# Altium PCB theremin2.PcbDoc
Units mil, origin at the board's own origin, x right, y up, seen from the top; angles counter-clockwise.
Board outline 3370 x 2125 mil, 2 copper layers (Top Layer, Bottom Layer); 50 components, 31 nets, 157 pads, 42 vias.
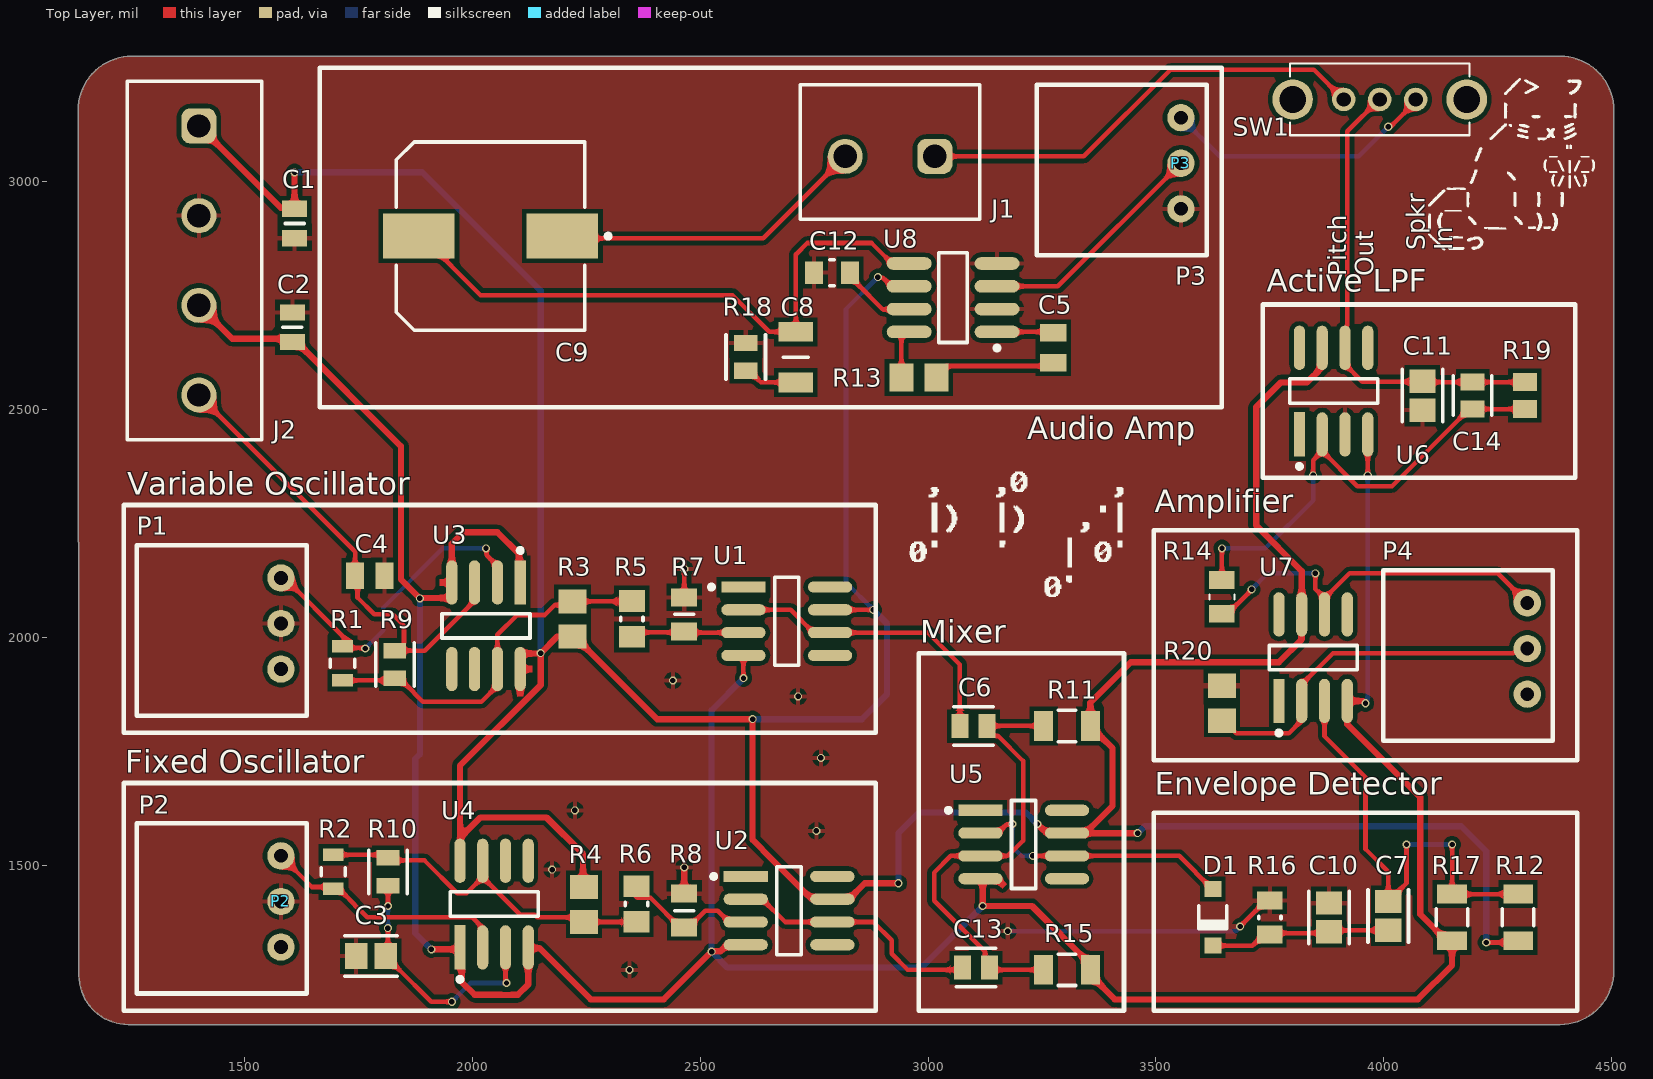
[diagram p0: Top Layer view]
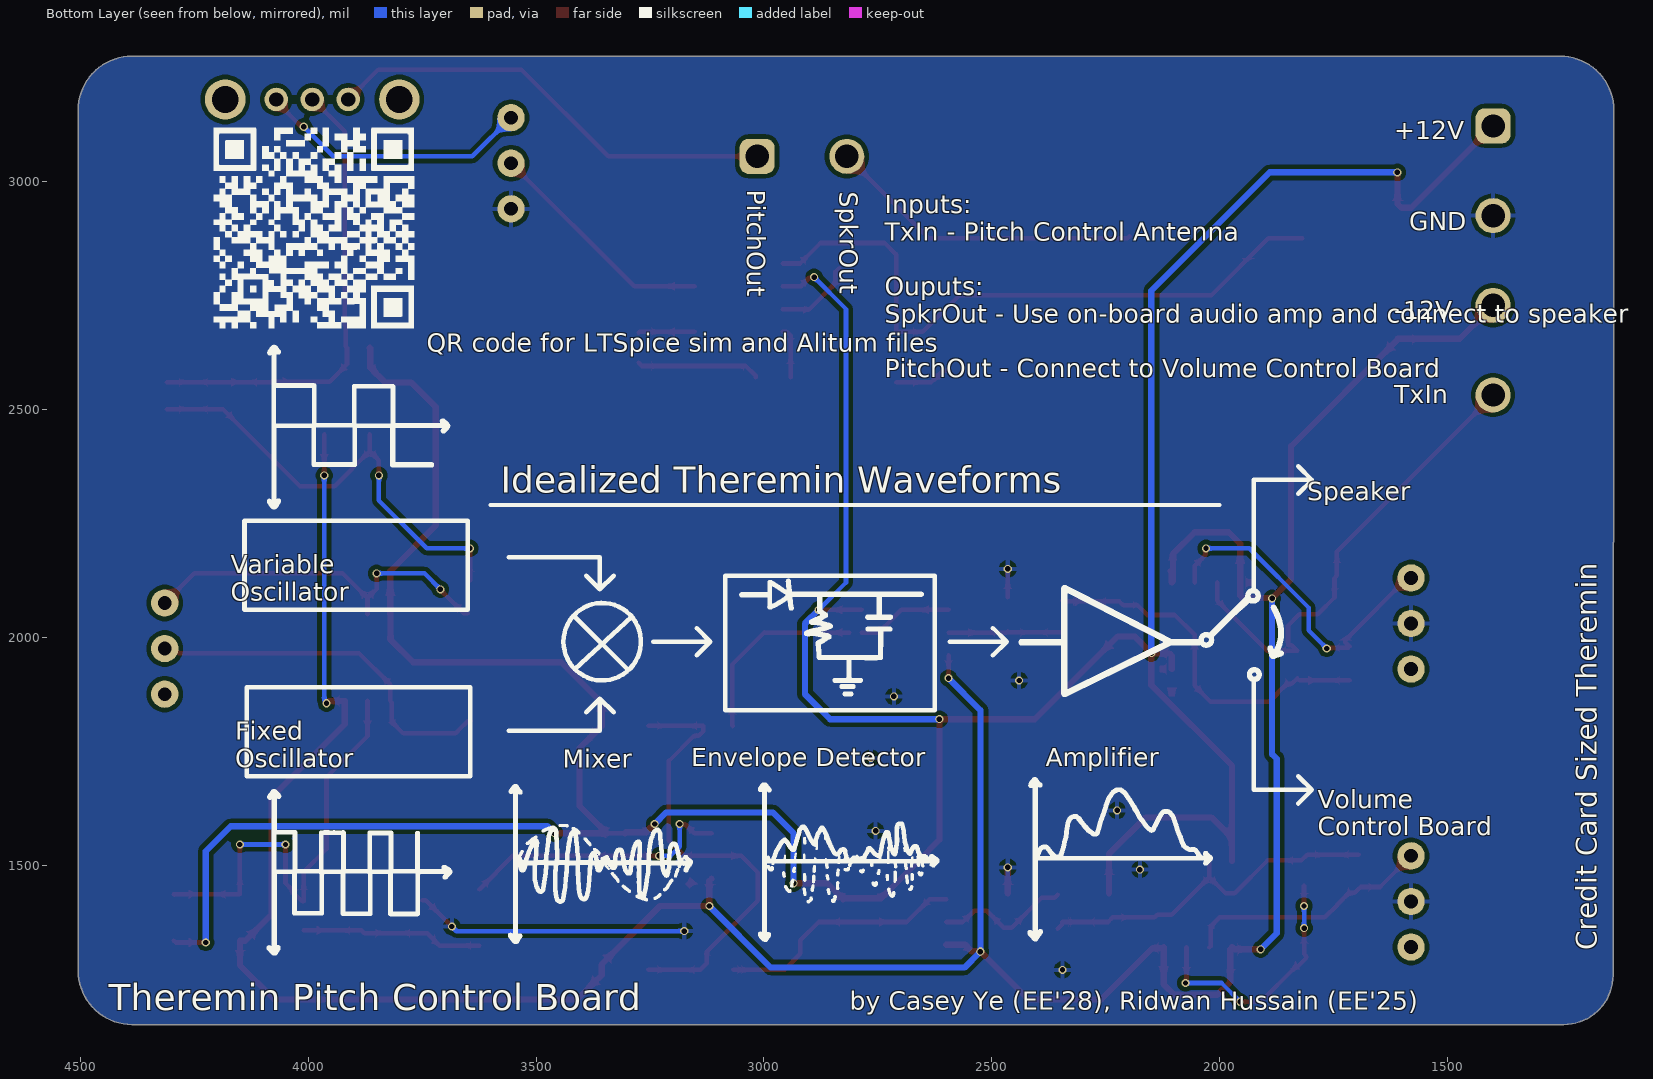
[diagram p1: Bottom Layer view, seen from below]
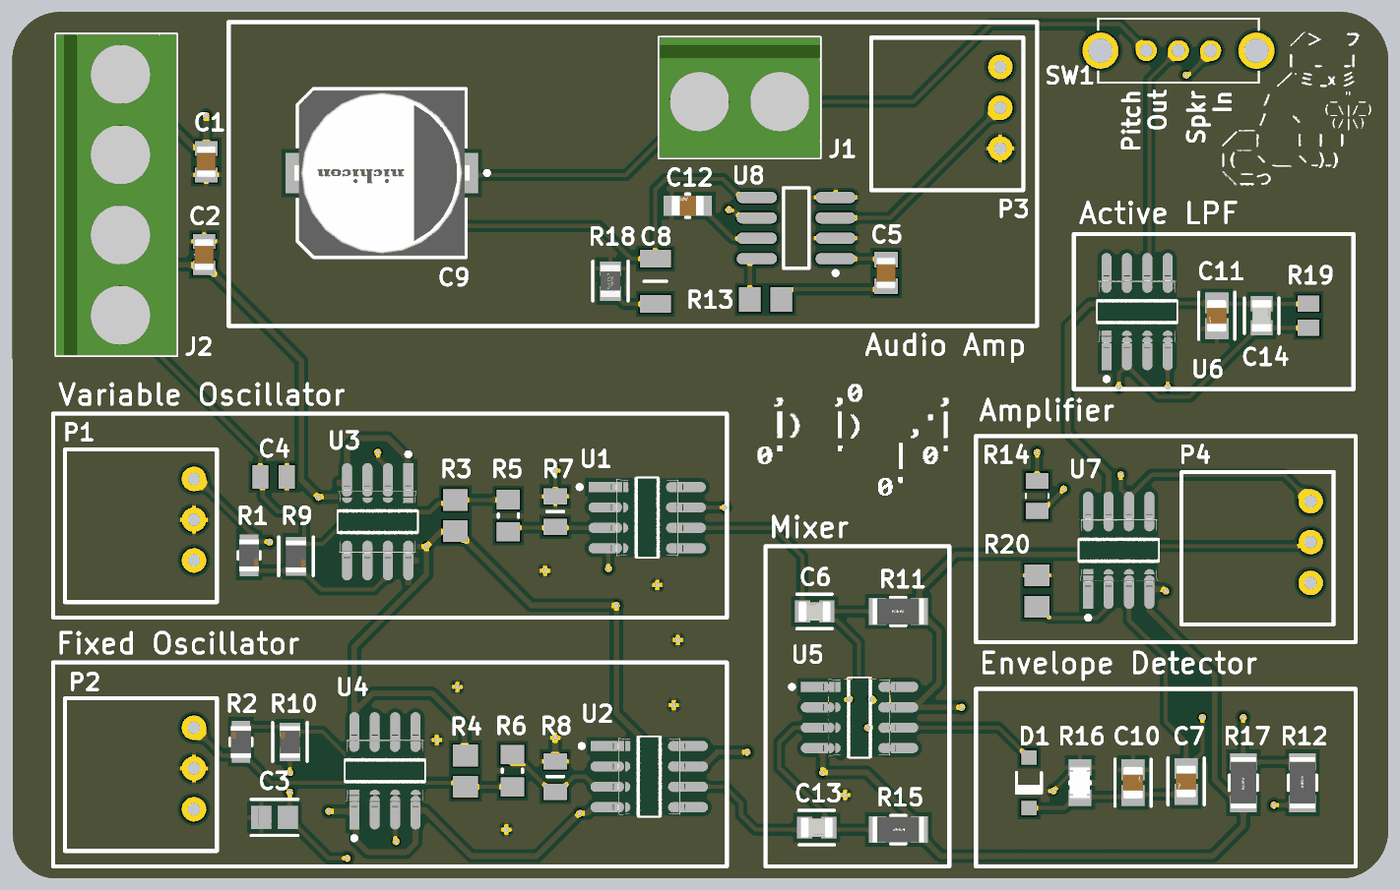
[diagram p2: 3D render of the assembled board from above, using the file's embedded part models]

## Layer stack, top to bottom
Top Solder: solder mask 0.4, Solder Resist, Dk 3.5
Top Layer: signal copper 1.4
Dielectric 1: dielectric 12.6, FR-4, Dk 4.8
Bottom Layer: signal copper 1.4
Bottom Solder: solder mask 0.4, Solder Resist, Dk 3.5

## Board outline
1244.59,1150 cw(c1244.59,1257.72) 1136.86,1257.72 1135,3156.89 cw(c1253.11,3156.89) 1253.11,3275 4386.89,3275 cw(c4386.89,3156.89) 4505,3156.89 4505,3155 4505,1268.11 cw(c4386.89,1268.11) 4386.89,1150 4385,1150

## Design rules (kind name [scope] priority, off if disabled: settings)
Clearance [All] p1: gap=9.65 ignorepadtopadclearanceinfootprint=TRUE
MinimumSolderMaskSliver [All] p1: minsoldermaskwidth=7.87
PolygonConnect [All] p1: connectstyle=Relief reliefconductorwidth=10 reliefentries=4 polygonreliefangle="90 Angle" airgapwidth=10
RoutingVias [All] p1: holewidth=11.81 width=17.72 viastyle="Through Hole" minholewidth=7.87 minwidth=13.78 maxholewidth=28 maxwidth=50
SilkToSolderMaskClearance [IsPad] p1: minsilkscreentomaskgap=4.33 clearancetoexposedcopper=TRUE
SolderMaskExpansion [All] p1: expansion=4 istentingtop=FALSE
SupplyNets "Schematic Supply Nets_2" [InNet('GND')] p1: voltage=0.000
SupplyNets "Schematic Supply Nets_1" [InNet('+12V')] p2: voltage=0.000
SupplyNets "Schematic Supply Nets" [InNet('-12V')] p3: voltage=0.000
Width [All] p1: maxlimit=19.68 minlimit=10 preferedwidth=10
28 further rules are at their usual default settings.

## Components (designator, comment, footprint, x,y, rotation, side; value= is the part's Value field where it differs from the comment)
C1 "CL21B105KBFNNNE" CAPC2012X135N 1610,2907.72 r90 top
C2 "CL21B105KBFNNNE" CAPC2012X135N 1605,2680 r90 top
C3 "CL21B222JBANNNC" FP-CL21-IPC_B 1777.49,1300 r180 top
C4 "VJ0805A561JXAAC" CAPC2012X145N#1 1775,2135 r180 top
C5 "CL21A106KAYNNNG" CAPC2012X145N#2 3275,2635 r90 top
C6 "C0805C220J5GACTU" FP-C0805C-DN-MFG 3100,1805 r0 top value="22 pF"
C7 "08052C102M4Z2A" FP-0805-L_2_01_0_2-W_1_25-IPC_B 4010,1388.28 r270 top
C8 "12061C503JAT2A" CAPC3216X94N 2710,2614.49 r90 top
C9 "UWT1E471MNL1GS" FP-UWT1E471MNL1GS-MFG 2040,2880 r180 top
C10 "08055C472KAT2A" FP-0805-L_2_01_0_2-W_1_25-IPC_B 3880,1385 r90 top
C11 "08052C102M4Z2A" FP-0805-L_2_01_0_2-W_1_25-IPC_B 4085,2530 r270 top
C12 "08055C104J4T2A" FP-0805-L_2_01_0_2-W_1_25-MFG 2789.37,2800 r180 top
C13 "C0805C220J5GACTU" FP-C0805C-DN-MFG 3105.47,1275 r180 top value="22 pF"
C14 "C0805C103J5RAC7210" FP-C0805C-DN-MFG 4195,2530 r270 top value="10,000 pF"
D1 "1N4148W-7-F" DIOD-SOD123-2_V 3625,1385 r270 top
J1 "691137710002" 691137710002 2916.57,3064.84 r180 top
J2 "691137710004" 691137710004 1390.16,2826.57 r270 top
P1 "25kOhmPotentiometer" 25kOhmPotentiometer-Footprint-1 1450,2015 r180 top
P2 "25kOhmPotentiometer" 25kOhmPotentiometer-Footprint-1 1450,1405 r180 top
P3 "25kOhmPotentiometer" 25kOhmPotentiometer-Footprint-1 3425,3025 r180 top
P4 "25kOhmPotentiometer" 25kOhmPotentiometer-Footprint-1 4185,1960 r180 top
R1 "KTR10EZPF1003" FP-KTR10-MFG 1715,1942.4 r270 top
R2 "KTR10EZPF1003" FP-KTR10-MFG 1695,1485 r90 top
R3 "ERJ-6ENF1001V" RESC2013X70X40ML20T20 2220,2040 r270 top
R4 "ERJ-6ENF1001V" RESC2013X70X40ML20T20 2245,1413.39 r90 top
R5 "RC0805JR-075K1L" RESC2013X60X35ML10T20 2350,2040 r270 top
R6 "RC0805JR-075K1L" RESC2013X60X35ML10T20 2360,1414.37 r90 top
R7 "4-2176238-9" RESC2012X65N#1 2465,2049.87 r270 top
R8 "4-2176238-9" RESC2012X65N#1 2465,1400 r270 top
R9 "KTR10EZPF2002" FP-KTR10-IPC_C 1830,1940 r270 top
R10 "KTR10EZPF2002" FP-KTR10-IPC_C 1815,1485 r90 top
R11 "KTR18EZPF1004" FP-KTR18-IPC_C 3305,1805 r0 top
R12 "KTR18EZPF1004" FP-KTR18-IPC_C 4295,1385 r270 top
R13 "ERJ-6ENF1001V" RESC2013X70X40ML20T20 2980,2570 r0 top
R14 "CRG0805F1K2" RESC2012X65N#2 3645,2088.19 r90 top
R15 "KTR18EZPF1004" FP-KTR18-IPC_C 3305,1270 r180 top
R16 "CRCW08054K70FKEA" FP-CRCW0805-e3-IPC_B 3750,1385 r270 top
R17 "KTR18EZPF1004" FP-KTR18-IPC_C 4150,1385 r90 top
R18 "CRGP0805F10R" FP-CRGP0805-IPC_C 2600,2615 r270 top value=10Ω
R19 "ERA6AEB222V" RESC2013X60X40LL20T25 4310,2530 r90 top
R20 "ERJ-6ENF1001V" RESC2013X70X40ML20T20 3645,1855 r270 top
SW1 "EG1213" SW_EG1213 3991.26,3180 r180 top
U1 "LF411CDR" FP-D0008A-IPC_A 2690,2035 r0 top
U2 "LF411CDR" FP-D0008A-IPC_A 2694.98,1400 r0 top
U3 "LM311MX/NOPB" FP-D0008A-IPC_A 2030,2024.98 r270 top
U4 "LM311MX/NOPB" FP-D0008A-IPC_A 2047.77,1414.27 r90 top
U5 "LF411CDR" FP-D0008A-IPC_A 3210,1545 r0 top
U6 "LF411CDR" FP-D0008A-IPC_A 3890,2540 r90 top
U7 "LF411CDR" FP-D0008A-IPC_A 3845,1955.02 r90 top
U8 "LM386M-1/NOPB" TI-D8_M 3055,2745 r180 top

## Footprints (in the part's own frame and the unit in brackets; to place one, negate y for a bottom-side part, rotate by r counter-clockwise, add the part's x,y. Pads: shape width x height; smd on the part's side, far side on the other; paste and mask are expansions set on the pad)
25kOhmPotentiometer-Footprint-1 [mil]
  round 60 hole 30: 1(-130,85) 2(-130,-15) 3(-130,-115)
  silkscreen extent -186,-187 186,187
691137710002 [mm] "Horizontal Cable Entry with Pressure Clamp, pitch 5mm, 02p"
  rrect50% 1.95x1.95 hole 1.3: 1(-2.5,0.25)
  round 1.95 hole 1.3: 2(2.5,0.25)
  silkscreen extent -5,-3.75 5,3.75, body extent -5,-3.75 5,3.75, height 11.6
691137710004 [mm] "Horizontal Cable Entry with Pressure Clamp, pitch 5mm, 04p"
  rrect50% 1.95x1.95 hole 1.3: 1(-7.5,0.25)
  round 1.95 hole 1.3: 2(-2.5,0.25) 3(2.5,0.25) 4(7.5,0.25)
  silkscreen extent -10,-3.75 10,3.75, body extent -10,-3.75 10,3.75, height 11.6
CAPC2012X135N [mm]
  rect 0.91x1.39 smd: 1(-0.82,0) 2(0.82,0)
  silkscreen extent 0,-0.53 0,0.53, body extent -1,-0.63 1,0.63, height 1.35
CAPC2012X145N#1 [mm]
  rect 0.99x1.47 smd: 1(-0.82,0) 2(0.82,0)
CAPC2012X145N#2 [mm]
  rect 0.97x1.47 smd: 1(-0.83,0) 2(0.83,0)
  body extent -1,-0.63 1,0.63, height 1.45
CAPC3216X94N [mm]
  rect 1.1x1.92 smd: 1(-1.41,0) 2(1.41,0)
  silkscreen extent 0,-0.7 0,0.7
DIOD-SOD123-2_V [mm] "SOD123, 2-Leads, Body 2.7x1.55mm, Height 1.45mm"
  rect 0.9x0.95 smd: 1(-1.575,0) 2(1.575,0)
  silkscreen extent -0.64,-0.83 0.64,0.77, body extent -1.35,-0.77 1.35,0.77, height 1.45
FP-0805-L_2_01_0_2-W_1_25-IPC_B [mil]
  rect 51.36x57.33 smd paste+0 mask+0: 1(-31.72,0) 2(31.72,0)
  silkscreen extent -57,-44 57,44, body extent -67,-39 67,39, height 10
FP-0805-L_2_01_0_2-W_1_25-MFG [mm]
  rect 1x1.25 smd paste+0 mask+0: 1(-1,0) 2(1,0)
  silkscreen extent -0.13,-0.72 0.13,0.72, body extent -1.6,-0.82 1.6,0.82, height 0.25
FP-C0805C-DN-MFG [mm]
  rect 0.95x1.35 smd paste+0 mask+0: 1(-0.75,0) 2(0.75,0)
  silkscreen extent -1.1,-1.07 1.1,1.07, body extent -1.4,-0.85 1.4,0.85, height 0.25
FP-CL21-IPC_B [mil]
  rect 49.4x57.33 smd paste+0 mask+0: 1(-32.51,0) 2(32.51,0)
  silkscreen extent -57,-44 57,44, body extent -67,-39 67,39, height 10
FP-CRCW0805-e3-IPC_B [mil]
  rect 39.63x55.44 smd paste+0 mask+0: 1(-37.44,0) 2(37.44,0)
  silkscreen extent -3,-25 3,25, body extent -67,-38 67,38, height 10
FP-CRGP0805-IPC_C [mil]
  rect 35.67x51.57 smd paste+0 mask+0: 1(-30.55,0) 2(30.55,0)
  silkscreen extent -48,-43 48,43, body extent -52,-31 52,31, height 10
FP-D0008A-IPC_A [mil]
  rect 97.21x24.49 smd paste+0 mask+0: 1(-95.02,75)
  rrect100% 97.21x24.49 smd paste+0 mask+0: 2(-95.02,25) 3(-95.02,-25) 4(-95.02,-75) 5(95.02,-75) 6(95.02,-25) 7(95.02,25) 8(95.02,75)
  silkscreen extent -170,-97 27,97, body extent -163,-116 163,116, height 10
FP-KTR10-IPC_C [mil]
  rect 33.79x49.69 smd paste+0 mask+0: 1(-30.59,0) 2(30.59,0)
  silkscreen extent -47,-42 47,42, body extent -51,-31 51,31, height 10
FP-KTR10-MFG [mm]
  rect 0.7x1.15 smd paste+0 mask+0: 1(-0.95,0) 2(0.95,0)
  silkscreen extent -0.23,-0.67 0.23,0.67, body extent -1.4,-0.77 1.4,0.77, height 0.25
FP-KTR18-IPC_C [mil]
  rect 41.56x65.28 smd paste+0 mask+0: 1(-51.23,0) 2(51.23,0)
  silkscreen extent -19,-34 19,34, body extent -76,-38 76,38, height 10
FP-UWT1E471MNL1GS-MFG [mm]
  rect 4x2.5 smd paste+0 mask+0: 1(-4,0) 2(4,0)
  silkscreen extent -6.68,-5.25 5.25,5.25, body extent -6.25,-5.5 6.25,5.5, height 0.25
RESC2012X65N#1 [mm]
  rect 1x1.45 smd: 1(-0.95,0) 2(0.95,0)
  silkscreen extent 0,-0.53 0,0.53
RESC2012X65N#2 [mm]
  rect 1x1.42 smd: 1(-0.935,0) 2(0.935,0)
  silkscreen extent -0.12,-0.7 0.12,0.7
RESC2013X60X35ML10T20 [mm] "Chip Resistor, 2-Leads, Body 2.00x1.25mm, IPC Low Density"
  rect 1.2x1.45 smd: 1(-1,0) 2(1,0)
  silkscreen extent -0.1,-0.63 0.1,0.63, body extent -1.05,-0.67 1.05,0.67, height 0.6
RESC2013X60X40LL20T25 [mm] "Chip Resistor, 2-Leads, Body 2.00x1.25mm, IPC High Density"
  rect 1x1.35 smd: 1(-0.75,0) 2(0.75,0)
  body extent -1.1,-0.72 1.1,0.72, height 0.6
RESC2013X70X40ML20T20 [mm] "Chip Resistor, 2-Leads, Body 2.00x1.25mm, IPC Low Density"
  rect 1.35x1.55 smd: 1(-0.975,0) 2(0.975,0)
  body extent -1.1,-0.72 1.1,0.72, height 0.7
SW_EG1213 [mm]
  round 1.308 hole 0.8: 1(-2,0) 2(0,0) 3(2,0)
  round 2.25 hole 1.5: P$4(-4.85,0) P$5(4.85,0)
  silkscreen extent -5,-2 5,2
TI-D8_M [mm] "SOIC, 8-Leads, Body 5x4mm, Pitch 1.27mm, IPC Low Density"
  oval 2.5x0.7 smd: 1(-2.45,1.905) 2(-2.45,0.635) 3(-2.45,-0.635) 4(-2.45,-1.905) 5(2.45,-1.905) 6(2.45,-0.635) 7(2.45,0.635) 8(2.45,1.905)
  silkscreen extent -2.58,-2.5 0.8,2.93, body extent -2,-2.5 2,2.5, height 1.75

## Part data
C1 C2: "Capacitor", Manufacturer_Name=SAMSUNG, Mouser Part Number=187-CL21B105KBFNNNE, Arrow Part Number=CL21B105KBFNNNE, Arrow Price/Stock=https://www.arrow.com/en/products/cl21b105kbfnnne/samsung-electro-mechanics?region=europe, Datasheet Link=https://componentsearchengine.com/Datasheets/2/CL21B105KBFNNNE.pdf, Height=1.35mm, Manufacturer_Part_Number=CL21B105KBFNNNE, Mouser Price/Stock=https://www.mouser.co.uk/ProductDetail/Samsung-Electro-Mechanics/CL21B105KBFNNNE?qs=yOVawPpwOwmddQEBPU6Y9A%3D%3D
C3: library part CMP-13271-000077-1, "CL21 Series 0805 2.2nF 50V ±5% Tolerance X7R Multilayer Ceramic Chip Capacitor", Capacitance=2.2nF, Case Code (Imperial)=0805, Case Code (Metric)=2012, Dielectric=X7R, Max Operating Temperature=125°C, Min Operating Temperature=-55°C, Package Quantity=4000, Tolerance=5%, Voltage=50V, Case/Package=0805, Contact Plating=Tin, Depth=1.25mm, Height=0.65mm, Lead Free="Lead Free", Length=2mm, Mount="Surface Mount", Packaging="Tape and Reel", Radiation Hardening=No, Thickness=0.03inch, Voltage Rating=50V, Voltage Rating (DC)=50V, Width=0.049inch
C4: library part CMP-030-000000-1, "VISHAY - VJ0805A561JXAAC - CAP, 560PF, 50V, 5%, C0G/NP0, 0805", Manufacturer_Name=Vishay, Mouser Part Number=77-VJ0805A561JXAAC, Datasheet Link=http://www.vishay.com/docs/45226/vj31xrohsautomlcc.pdf, Design Item ID=VJ0805A561JXAAC, Geometry.Height=1.45mm, Manufacturer_Part_Number=VJ0805A561JXAAC, Mouser Price/Stock=https://www.mouser.co.uk/ProductDetail/Vishay-Vitramon/VJ0805A561JXAAC?qs=ReTA%2F0kwlVYgsqJl6lJxLg%3D%3D, Source=VJ0805A561JXAAC.SchLib
C5: "Capacitor", Manufacturer_Name=SAMSUNG, Mouser Part Number=187-CL21A106KAYNNNG, Arrow Part Number=CL21A106KAYNNNG, Arrow Price/Stock=https://www.arrow.com/en/products/cl21a106kaynnng/samsung-electro-mechanics?region=nac, Datasheet Link=https://www.arrow.com/en/products/cl21a106kaynnng/samsung-electro-mechanics, Height=1.45mm, Manufacturer_Part_Number=CL21A106KAYNNNG, Mouser Price/Stock=https://www.mouser.co.uk/ProductDetail/Samsung-Electro-Mechanics/CL21A106KAYNNNG?qs=yOVawPpwOwl2HL%252Buj2PlNg%3D%3D
C6 C13: library part CMP-2007-00048-2, "Capacitor; Ceramic; Cap; 22.0pF; Tol 5%; SMT; Vol-Rtg 50V; C0G; Tape and Reel", Capacitance="22 pF", Manufacturer=KEMET, Package=C0805C-DN, Temperature="-55°C to +125°C", Temperature Characteristic=C0G, Temperature Coefficient=30ppm/°C, Temperature Range High=+125°C, Temperature Range Low=-55°C, Tolerance=0.05, Voltage Rating="50 V", Automotive=No, Category=Cap, ComponentLink2Description=Datasheet, ComponentLink2URL=https://content.kemet.com/datasheets/KEM_C1003_C0G_SMD.pdf, Device Class L1="Passive Components", Device Class L2=Capacitors, Device Class L3="Ceramic Capacitors", Digikey Description="Capacitor; Ceramic; Cap; 22.0pF; Tol 5%; SMT; Vol-Rtg 50V; C0G; Tape and Reel", Height=0.88mm, Ipc Land Pattern Name=CAPC200125X78, Lead Free=Yes, Manufacturer Part Number=C0805C220J5GACTU, Material=Ceramic, Mouser Description="Multilayer Ceramic Capacitors MLCC - SMD/SMT 50volts 22pF C0G 5%", Octopart=https://octopart.com/c0805c220j5gactu-kemet-145470, RoHS=TRUE
C7 C11: library part CMP-04427-001942-1, "Automotive Ceramic Capacitor, 0805, 1nF, 20%, X7R, 0.15, 200V", Capacitance=1nF, Case/Package=0805, Dielectric=X7R, Max Operating Temperature=125°C, Min Operating Temperature=-55°C, Ratings=AEC-Q200, Tolerance=20%, Voltage Rating=200V, Depth=1.25mm, Features="Soft Termination", Length=0.079inch, Mount="Surface Mount", Packaging="Tape and Reel", RoHS Compliant=Yes, Thickness=0.037inch, Voltage Rating (DC)=200V, Width=0.049inch
C8: library part CMP-012-000000-1, "Multilayer Ceramic Capacitors MLCC - SMD/SMT 100V .05uF X7R 1206 5% Tol", Manufacturer_Name="Kyocera AVX", Mouser Part Number=581-12061C503JAT2A, Datasheet Link=http://datasheets.avx.com/X7RDielectric.pdf, Design Item ID=12061C503JAT2A, Geometry.Height=0.94mm, Manufacturer_Part_Number=12061C503JAT2A, Mouser Price/Stock=https://www.mouser.co.uk/ProductDetail/KYOCERA-AVX/12061C503JAT2A?qs=9g9l2Gjnh0tpSIGc6XCvtQ%3D%3D, Source=12061C503JAT2A.SchLib
C9: library part CMP-12462-000037-1, "CAP ALUM 470UF 20% 25V SMD", Capacitance=470uF, Case/Package=Radial, Dielectric Material=Aluminium, Leakage Current=3uA, Max Operating Temperature=105°C, Min Operating Temperature=-55°C, Package Quantity=500, Ripple Current=300mA, Tolerance=20%, Voltage=25V, Construction=Cylindrical, Diameter=10mm, Dissipation Factor=0.16%, Height=10mm, Height - Seated (Max)=0.394inch, Lead Diameter=1.1mm, Lead Free="Lead Free", Lead Pitch=4.5mm, Length=10mm, Life (Hours)=1000Hour, Mount="Surface Mount", Number of Pins=2, Packaging="Tape and Reel", Radiation Hardening=No, REACH SVHC="No SVHC", Ripple Current (AC)=300mA, RoHS Compliant=Yes, Series=WT, Termination=SMD/SMT, Voltage Rating=25V, Voltage Rating (DC)=25V
C10: library part CMP-1036-03594-3, "General Purpose Ceramic Capacitor, 0805, 4.7nF, 10%, X7R, 0.15, 50V", Capacitance=4.7nF, Case Code (Imperial)=0805, Case Code (Metric)=2012, Dielectric=X7R, Dielectric Material=Ceramic, Insulation Resistance=100GR, Max Operating Temperature=125°C, Min Operating Temperature=-55°C, Package Quantity=1, Tolerance=10%, Voltage=50V, Case/Package=0805, Construction=Flat, Contact Plating=Tin, Depth=1.25mm, Dissipation Factor=2.5%, Height=0.94mm, Lead Free="Lead Free", Length=2.01mm, Mount="Surface Mount", Number of Pins=2, Packaging="Tape and Reel", Radiation Hardening=No, REACH SVHC="No SVHC", RoHS Compliant=Yes, Series=-, Size=0.94mm, Termination=SMD/SMT, Thickness=0.037inch, Voltage Rating=50V, Voltage Rating (DC)=50V, Width=1.25mm
C12: library part CMP-2007-04725-2, "Automotive Ceramic Capacitor, 0805, 100nF, 5%, X7R, 15%, 50V", Capacitance=100nF, Case Code (Imperial)=0805, Case Code (Metric)=2012, Dielectric=X7R, Max Operating Temperature=125°C, Min Operating Temperature=-55°C, Package Quantity=4000, Ratings=AEC-Q200, Tolerance=5%, Voltage Rating=50V, Case/Package=0805, Construction=Flat, Contact Plating=Tin, Depth=1.25mm, Dissipation Factor=2.5%, Height=0.94mm, Lead Free="Lead Free", Length=2.01mm, Mount="Surface Mount", Number of Pins=2, Packaging="Tape and Reel", Radiation Hardening=No, RoHS Compliant=Yes, Series=-, Termination=SMD/SMT, Thickness=0.037inch, Voltage Rating (DC)=50V, Width=0.049inch
C14: library part CMP-2007-01173-3, "CAP CER SMD 0805 .01UF X7R 5% 50", Capacitance="10,000 pF", Manufacturer=KEMET, Package=C0805C-DN, Temperature="-55°C to +125°C", Temperature Characteristic=X7R, Temperature Coefficient=30ppm/°C, Temperature Range High=+125°C, Temperature Range Low=-55°C, Tolerance=0.05, Voltage Rating="50 V", Automotive=No, Category=Cap, ComponentLink2Description=Datasheet, ComponentLink2URL=https://content.kemet.com/datasheets/KEM_C1003_C0G_SMD.pdf, Device Class L1="Passive Components", Device Class L2=Capacitors, Device Class L3="Ceramic Capacitors", Digikey Description="CAP CER SMD 0805 .01UF X7R 5% 50", Height=0.88mm, Ipc Land Pattern Name=CAPC200125X78, Lead Free=Yes, Manufacturer Part Number=C0805C103J5RAC7210, Material=Ceramic, Mouser Description="Cap Ceramic 0.01uF 50V X7R 5% Pad SMD 0805 125C T/R", Octopart=https://octopart.com/c0805c103j5rac7210-kemet-3921106, RoHS=TRUE
D1: library part CMP-2000-04932-2, "Fast Switching Diode, 100 V, 0.15 A, -65 to 150 degC, 2-Pin?SOD123, RoHS, Tape and Reel", If - Forward Current=0.15A, Ir - Reverse Current=1uA, Manufacturer=DiodesIncorporated, Max Surge Current=2A, Maximum Operating Temperature=+150C, Minimum Operating Temperature=-65C, Operating Temperature Range=-65Cto+150C, Package / Case=SOD-123, Package Reference=SOD123-2, Peak Reverse Voltage=100V, Vf - Forward Voltage=1.25V, Brand=DiodesIncorporated, Configuration=Single, Datasheet URL=http://www.farnell.com/datasheets/1915529.pdf, Datasheet Version="Rev. 24-2, 10/2013", Factory Pack Quantity=3000, Height=1.25mm, Length=2.85mm, Manufacturer URL=http://www.diodes.com/, Mounting Style=SMD/SMT, Package URL=http://www.diodes.com/datasheets/ds18004.pdf, Packaging=Reel, Product=SwitchingDiodes, Product Category=Diodes-GeneralPurpose,Power,Switching, Recovery Time=4ns, RoHS=True, Series=1N4148, Type=SwitchingDiode, Unit Weight=0.000353oz, Width=1.7mm
J1: library part CMP-1502-03324-2, Current Rating=16A, Max Operating Temperature=120°C, Min Operating Temperature=-30°C, Voltage Rating=300V, Contact Material="Nickel, Tin", Height=11.6mm, Lead Pitch=5mm, NexarPartId=78871135, Number of Contacts=2, Number of Pins=2, Number of Rows=1, Packaging=Box, RoHS=Non-Compliant
J2: library part CMP-1502-03326-2, Lead Pitch=5mm, NexarPartId=78871140, Number of Pins=4, Packaging=Box, RoHS=Non-Compliant
P1: library part CMP-009-00188-4, "25k Ohm Potentiometer"
P2 P3 P4: library part CMP-009-00188-3, "25k Ohm Potentiometer"
R1 R2: library part CMP-08839-031120-1, "Res Thick Film 0805 100kΩ 1% 0.125W ±100ppm/°C Automotive Paper T/R", Case Code (Imperial)=0805, Case Code (Metric)=2012, Max Operating Temperature=155°C, Max Power Dissipation=125mW, Min Operating Temperature=-55°C, Resistance=100kR, Resistor Type="Thick Film", Temperature Coefficient=100ppm/°C, Tolerance=1%, Case/Package=0805, Contact Plating=Tin, Features="Automotive AEC-Q200", Number of Terminations=2, Packaging="Tape and Reel", RoHS Compliant=Yes, Series=KTR
R3 R4 R13 R20: library part CMP-2001-04375-5, "Chip Resistor, 1 KOhm, +/- 1%, 0.125 W, -55 to 155 degC, 0805 (2012 Metric), RoHS, Tape and Reel", Manufacturer=Panasonic, Max Operating Temperature="155 degC", Min Operating Temperature="-55 degC", Package Quantity=1, Voltage Rating="150 V", ComponentLink1Description="Manufacturer URL", ComponentLink1URL=http://www.panasonic.com/, ComponentLink2Description=Datasheet, ComponentLink2URL=http://industrial.panasonic.com/cdbs/www-data/pdf/RDA0000/AOA0000C86.pdf, DatasheetVersion=04/2015, Height="0.6 mm", Length="2 mm", Mount="Surface Mount", Mounting Technology="Surface Mount", PackageDescription="2-Pin Surface Mount Device, Body 2 x 1.25 mm", PackageReference=0805, Packaging="Cut Tape", REACH SVHC=Yes, RoHSCompliant=true
R5 R6: library part CMP-2001-01390-1, Manufacturer=Yageo, Part Number=RC0805JR-075K1L
R7 R8: library part CMP-045-000000-3, "Thin Film Resistors - SMD CPF A 0805 10K 0.1% 25PPM 5K RL", Manufacturer_Name="TE Connectivity", Datasheet Link=https://www.te.com/commerce/DocumentDelivery/DDEController?Action=srchrtrv&DocNm=1773200-1&DocType=Data%20Sheet&DocLang=English&DocFormat=pdf&PartCntxt=4-2176238-9, Design Item ID=4-2176238-9, Geometry.Height=0.65mm, Manufacturer_Part_Number=4-2176238-9, Source=4-2176238-9.SchLib
R9 R10: library part CMP-08839-031312-1, "Res Thick Film 0805 20kΩ 1% 0.125W ±100ppm/°C Automotive Paper T/R", Case Code (Imperial)=0805, Case Code (Metric)=2012, Max Operating Temperature=155°C, Max Power Dissipation=125mW, Min Operating Temperature=-55°C, Resistance=20kR, Resistor Type="Thick Film", Temperature Coefficient=100ppm/°C, Tolerance=1%, Case/Package=0805, Features="Automotive AEC-Q200", Number of Terminations=2, Packaging="Tape and Reel", RoHS Compliant=Yes, Series=KTR
R11 R12 R15 R17: library part CMP-08839-030004-1, "Res Thick Film 1206 1MΩ 1% 0.1W ±100ppm/°C Automotive Paper T/R", Case Code (Imperial)=1206, Case Code (Metric)=3216, Max Operating Temperature=155°C, Max Power Dissipation=250mW, Min Operating Temperature=-55°C, Package Quantity=1, Resistance=1MR, Resistor Type="Thick Film", Temperature Coefficient=100ppm/°C, Tolerance=1%, Case/Package=1206, Features="Automotive AEC-Q200", Height=0.026inch, Lead Free="Lead Free", Length=0.126inch, Mount="Surface Mount", Number of Terminations=2, Packaging="Tape and Reel", Power Rating=250mW, RoHS Compliant=Yes, Series=KTR18, Width=0.063inch
R14: library part CMP-100-000000-1, "Fixed Resistors", Package=0805, Power_Rating=".125 W", Resistance=1.2K, Tolerance=1%, Voltage_Rating="150 V", Availability=Unavailable, Component Type=Standard, Design Item ID=CRG0805F1K2, EU_RoHS_Compliance="Compliant with Exemptions", MF="TE Connectivity", MP=CRG0805F1K2, Pin Count=2, Price=None, SnapEDA_Link=https://www.snapeda.com/parts/CRG0805F1K2/TE%20Connectivity/view-part/979062/?ref=snap, Source=SnapEDAsch.SchLib, TE_purchase_URL=https://www.te.com/usa-en/product-1623133-1.html?te_bu=Cor&te_type=disp&te_campaign=seda_glo_cor-seda-global-disp-prtnr-fy19-seda-model-bom-cta_sma-317_1&elqCampaignId=32493
R16: library part CMP-2100-03615-2, "RES Thick Film, 4.7kΩ, 1%, 0.125W, 100ppm/°C, 0805", Case Code (Imperial)=0805, Case Code (Metric)=2012, Max Operating Temperature=155°C, Max Power Dissipation=125mW, Min Operating Temperature=-55°C, Package Quantity=10, Resistance=4.7kR, Temperature Coefficient=100ppm/°C, Tolerance=1%, Voltage Rating=150V, Case/Package=0805, Composition="Thick Film", Contact Plating=Tin, Depth=1.25mm, Features="Automotive AEC-Q200", Height=0.45mm, Lead Free="Lead Free", Length=2mm, Military Standard=Not, Number of Terminations=2, Packaging="Tape and Reel", Power Rating=125mW, Radiation Hardening=No, Termination=SMD/SMT, Voltage Rating (DC)=150V, Weight=0.000194oz, Width=1.25mm
R18: library part CMP-03211-010199-1, "CRGP 0805 10R 1%", Ambient Temperature Range High=+70°C, Manufacturer=TE, Package=CRGP0805, Power Rating=0.33W, Resistance=10Ω, Temperature="-55°C to +155°C", Temperature Coefficient=±100ppm/°C, Temperature Range High=+155°C, Temperature Range Low=-55°C, Tolerance=0.01, Voltage Rating=150V, Automotive=No, Category=Res, ComponentLink2Description=Datasheet, ComponentLink2URL=https://www.mouser.com/datasheet/2/418/NG_DS_9-1773463-9_A-1358566.pdf, Composition="Thick Film", Device Class L1="Passive Components", Device Class L2=Resistors, Device Class L3="Chip SMD Resistors", Digikey Description="CRGP 0805 10R 1%", Height=0.65mm, Ipc Land Pattern Name=RESC200125X55, Lead Free=Yes, Manufacturer Part Number=CRGP0805F10R, Octopart=https://octopart.com/crgp0805f10r-te+connectivity-91018783, RoHS=TRUE, Series=CRGP
R19: library part CMP-2001-00613-1, Manufacturer=Panasonic, Part Number=ERA6AEB222V
SW1: library part CMP-102-000000-1, "<b>EG Series SPDT On-On Right Angle Through Hole Slide Switch</b>", Package=None, Availability=Unavailable, Component Type=Standard, Design Item ID=EG1213, MP=EG1213, Pin Count=3, Price=None, Source=EG1213.SchLib
U1 U2 U5 U6 U7: library part CMP-04895-000362-1, "IC OPAMP JFET 1 CIRCUIT 8SOIC", Case/Package=SOIC, Dual Supply Voltage=15V, Input Bias Current=200pA, Input Noise Current Density="0.01pA/sqrt Hz", Input Offset Voltage (Vos)=2mV, Input Voltage Noise Density="18nV/sqrt Hz", Max Dual Supply Voltage=18V, Max Operating Temperature=70°C, Max Power Dissipation=500mW, Max Supply Voltage=36V, Min Dual Supply Voltage=3.5V, Min Operating Temperature=0°C, Min Supply Voltage=7V, Nominal Supply Current=3.4mA, Operating Supply Current=2mA, Package Quantity=2500, Voltage Gain=106.02dB, Bandwidth=3MHz, Common Mode Rejection Ratio=100dB, Contact Plating=Gold, Gain Bandwidth Product=3MHz, Height=1.58mm, Lead Free="Lead Free", Length=4.9mm, Mount="Surface Mount", Number of Channels=1, Number of Circuits=1, Number of Elements=1, Number of Pins=8, Operating Supply Voltage=18V, Packaging="Cut Tape", Radiation Hardening=No, RoHS Compliant=Yes, Series=LF411, Slew Rate=15V/µs, Supply Type=Dual, Technology=BIFET, Unity Gain Bandwidth Product=3MHz, Weight=0.002561oz, Width=3.91mm
U3 U4: library part CMP-04896-000087-1, "IC VOLTAGE COMPARATOR 8-SOIC", Case/Package=SOIC, Input Bias Current=250nA, Input Offset Voltage (Vos)=7.5mV, Max Dual Supply Voltage=18V, Max Operating Temperature=70°C, Max Power Dissipation=500mW, Max Supply Current=7.5mA, Max Supply Voltage=36V, Min Dual Supply Voltage=2.5V, Min Operating Temperature=0°C, Min Supply Voltage=5V, Output Current=50mA, Package Quantity=1, Voltage Gain=106.02dB, Lead Free="Lead Free", Max Input Current=250nA, Mount="Surface Mount", Nominal Supply Current=7.5mA, Number of Channels=1, Number of Elements=1, Number of Pins=8, Output Compatibility=TTL, Output Type=TTL, Packaging="Tape and Reel", Power Dissipation=500mW, Quiescent Current=7.5mA, Radiation Hardening=No, REACH SVHC="No SVHC", Response Time=200ns, Series=-, Supply Current=7.5mA, Technology=BIPOLAR, Type="General Purpose"
U8: library part CMP-0994-00001-1, "Low Voltage Audio Power Amplifier, 0 to 70 degC, 8-pin SOIC (D8), Green (RoHS & no Sb/Br)", Manufacturer="Texas Instruments", Code_JEDEC=MS-012, ComponentLink1Description="Manufacturer URL", ComponentLink1URL=http://www.ti.com/, ComponentLink2Description=Datasheet, ComponentLink2URL=http://www.ti.com/general/docs/lit/getliterature.tsp?genericPartNumber=LM386&fileType=pdf, ComponentLink3Description="Package Specification", ComponentLink3URL=http://www.ti.com/litv/pdf/msoi002j, DatasheetVersion=SNAS545A, Eco-Plan="Green (RoHS & no Sb/Br)", Input Type=Analog, Max. Number of Speaker Outputs=1, Mounting Technology="Surface Mount", PackageDescription="8-Pin Plastic Small Outline, Body 4.9 x 3.9 mm, Pitch 1.27 mm", PackageReference=D8, PackageVersion="4040047-3/M, 06/2011", PartNumber=LM386M-1/NOPB, SubFamily="Mid/High-Power Amplifier"

## Via types
v1: diameter 17.72, hole 11.81, Top Layer to Bottom Layer, 42 vias

## Nets (pads, with @x,y where several pads share a name; then routed paths per layer and width w, separated by ;. In a path a pad name is that pad's centre, name@x,y a point inside that pad or via, vN(x,y) a via of type N, cw(c..) or ccw(c..) an arc to the next point about the centre after c; other vN are vias at no path point)
+12V: C1.2 J2.1 R3.2 R4.2 R11.2 R12.2 U1.7 U2.7 U3.8 U4.8 U5.7 U6.7 U7.7 U8.6 | length 8856.6
  Top Layer w10: U1.7 v1(2880,2060) ; v1(2890,2790) 2891.48,2788.52 2900.93,2788.52 2918.36,2771.1 2918.36,2770 U8.6 ; U5.7 U5.7@3344.28,1570 ; v1(4225,1330) 4291.23,1330 R12.2
  Top Layer w13.78: J2.1@1401.13,3120.72 1579.72,2942.13 1601.1,2942.13 1610,2951.02 v1(1610,3020) ; U4.8 1972.77,1559.27 ; U3.8 2105,1959.3 2109.95,1964.25 2149.25,1964.25 v1(2150,1965) ; R4.2@2242.77,1437.66 2242.77,1524.27 2162.77,1604.27 2017.77,1604.27 1972.77,1559.27 ; v1(2935,1460) 2861.36,1460 2826.36,1425 2824.31,1427.05 2742.95,1427.05 2658.15,1511.85 2615,1555 v1(2615,1820) 2405.55,1820 2223.94,2001.61 R3.2 2219.82,2001.44 2186.44,2001.44 v1(2150,1965) ; v1@3240.75,1589.25 3257.95,1572.05 3302.97,1572.05 U5.7 ; 3445,1945 3356.23,1856.23 R11.2 3405,1756.23 3405,1630 3350.36,1575.36 3349.64,1575.36 3344.28,1570 v1(3460,1570) ; 3446.65,1945 3770,1945 3819.49,1994.49 3819.49,2049.54 U7.7 3820,2145 3720,2245 3720,2505 3773.86,2558.86 3828.86,2558.86 3831.49,2558.86 3864.08,2591.45 3864.08,2634.1 U6.7 ; 1972.77,1559.27 1972.77,1717.77 2150,1895 v1(2150,1965)
  Bottom Layer w10: v1(2880,2060) 2820,2120 2820,2720 v1(2890,2790)
  Bottom Layer w13.78: v1(1610,3020) 1890,3020 2150,2760 v1(2150,1965) ; v1(2615,1820) 2855,1820 2910,1875 2910,2030 v1(2880,2060) ; v1(2935,1460) 2935,1570 2980.39,1615.39 3214.61,1615.39 v1(3240,1590) ; v1(3460,1570) 3475,1585 4170,1585 4225,1530 v1(4225,1330)
-12V: C2.1 J2.3 R15.1 R17.1 U1.4 U2.4 U3.1 U3.4 U4.1 U4.4 U5.4 U6.4 U7.4 | length 7008.3
  Top Layer w10: v1(2595,1910) U1.4 ; v1(3965,2355) U6.4
  Top Layer w13.78: J2.3 1473.15,2655 1610,2655 1610,2652.17 1843.31,2418.86 1843.31,2126.69 v1(1885,2085) 1885.75,2085.75 1950.05,2085.75 1955,2090.7 1955,2205 1980,2230 2055,2230 2102.6,2182.4 2102.6,2122.4 U3.1 ; v1(1910,1315) 1968.52,1315 U4.1 ; U4.1@1972.02,1320 1976.92,1315.11 1976.92,1243.08 2005,1215 2064.09,1215 2064.48,1214.61 2085.52,1214.61 2085.91,1215 2100,1215 2122.77,1237.77 U4.4 2124.64,1317.38 2147.62,1317.38 2260,1205 2420,1205 2525.75,1310.75 2544.77,1310.75 2559.01,1325 U2.4 ; U3.1@2105,2122.42 2105,2142.6 U3.1@2107.4,2145 ; U5.4 3115.05,1470 3120,1465.05 v1(3120,1410) 3228.09,1410 3356.23,1281.86 R15.1 3356.23,1258.14 3372.01,1242.36 3372.64,1242.36 3410,1205 ; 3415,1205 4075,1205 4150,1280 R17.1 4138.14,1333.77 4080,1391.91 4080,1648.64 3920,1808.64 U7.4 3953.93,1860 3958.93,1855 v1(3960,1855)
  Bottom Layer w10: v1(3960,1855) 3960,1857.09 3965,1862.09 v1(3965,2355)
  Bottom Layer w13.78: v1(1885,2085) 1885,1742.99 1875,1732.99 1875,1350 v1(1910,1315) ; v1(2595,1910) 2525,1840 v1(2525,1310) 2560,1275 2985,1275 v1(3120,1410)
AmpOut: C11.1 C14.1 R19.2 SW1.2 U6.6 | length 1023.6
  Top Layer w10: SW1.2@3990,3180 3920,3110 3920,2684.49 3917.77,2682.26 3917.77,2637.8 U6.6 3915,2598.66 3953.23,2560.43 4080,2560.43 4080.91,2559.53 C14.1 R19.2
FixOscOut: C13.2 U2.2 U2.6 | length 549
  Top Layer w10: U2.2 2636.31,1425 2686.31,1375 U2.6 2880,1375 2920,1335 2920,1305 2955,1270 C13.2@3067.17,1270
GND: C1.1 C2.2 C3.2 C4.1 C10.2 C11.2 C12.2 J2.2 P1.2 P2.2 P3.1 R7.1 R8.1 R16.1 R18.1 R20.1 U6.3 U8.2 U8.4 | length 723.5
  Top Layer w10: R7.1 v1(2465,2150) ; v1(3685,1365) 3685,1365.34 3742.09,1422.44 R16.1
  Top Layer w13.78: R8.1 v1(2465,1495)
  Bottom Layer w10: v1(3175,1355) 3675,1355 v1(3685,1365)
  other v1: 2345,1270 2175,1490 2755,1575 2225,1620 2765,1735 2715,1870 2440,1905
NetC3_1: C3.1 R10.1 U4.3 | length 561.4
  Top Layer w10: v1(1814.75,1361.5) 1814.75,1304.75 C3.1 1810,1296.03 1829.7,1276.33 1833.67,1276.33 1910,1200 v1(1955,1200) ; v1(1815,1410) R10.1 ; U4.3 2072.77,1245.36 2075,1243.13 v1(2075,1241.04)
  Bottom Layer w10: v1(1814.75,1361.5) 1814.88,1361.62 1814.88,1409.88 v1(1815,1410) ; v1(1955,1200) 1996.04,1241.04 v1(2075,1241.04)
NetC5_1: C5.1 R13.2 | length 272
  Top Layer w10: R13.2 3018.39,2573.43 3039.96,2595 3267.68,2595 C5.1
NetC5_2: C5.2 U8.1 | length 124.5
  Top Layer w10: U8.1 3272.68,2670 C5.2
NetC6_2: C6.2 C13.1 R11.1 R15.2 U5.3 | length 1012.6
  Top Layer w10: C6.2@3132.83,1804.03 3132.83,1793.83 3143.23,1783.43 3153.43,1783.43 3208.5,1728.35 3208.5,1553.5 3175,1520 3050,1520 3013.45,1483.45 3013.45,1421.55 3125.35,1309.65 3125.35,1284.65 3140,1270 R15.2 ; C6.2@3132.83,1804.34 3133.81,1805.33 R11.1@3253.44,1805.33
NetC7_1: C7.1 R12.1 R17.2 U7.3 | length 996.1
  Top Layer w10: U7.3 3870,1782.5 3960,1692.5 3960,1535 4010,1485 C7.1 4012.98,1420 4033.67,1440.68 4033.67,1443.67 4050,1460 v1(4050,1545) ; v1(4150,1545) R17.2 4292.54,1436.23 4293.77,1435 R12.1
  Bottom Layer w10: v1(4050,1545) v1(4150,1545)
NetC7_2: C7.2 C10.1 D1.2 R16.2 | length 398.9
  Top Layer w10: D1.2 3711.54,1322.99 3739.09,1350.55 3745,1350.55 3877.27,1350.55 C10.1 3883.28,1356.55 C7.2
NetC8_1: C8.1 R18.2 | length 120.5
  Top Layer w10: R18.2 2607.95,2584.45 2633.42,2558.98 C8.1
NetC8_2: C8.2 C9.2 U8.5 | length 1421.6
  Top Layer w10: C9.2@1818.5,2875 1893.31,2875 2017.91,2750.39 2570.91,2750.39 2651.3,2670 C8.2 2710,2840 ; 2711.63,2841.63 2735,2865 2875.91,2865 2920.91,2820 U8.5
NetC12_1: C12.1 U8.7 | length 176
  Top Layer w10: C12.1@2835,2809.86 2843.43,2801.44 2843.43,2776.57 2900.86,2719.14 2957.69,2719.14 U8.7
NetC14_2: C14.2 R14.2 R19.1 U6.2 | length 1013.7
  Top Layer w10: R14.2 v1(3645,2195) ; v1(3845,2355) 3845,2388.62 U6.2@3865,2408.62 ; U6.2 U6.2@3865,2408.62 ; R19.1 C14.2 4187.13,2500.47 4018.15,2331.5 3942.12,2331.5 U6.2@3865,2408.62
  Bottom Layer w10: v1(3645,2195) 3740,2195 3845,2300 v1(3845,2355)
NetD1_1: D1.1 U5.2 U5.6 | length 606.8
  Top Layer w10: U5.2 3152.82,1570 3171.34,1588.52 3183.52,1588.52 v1(3185,1590) ; v1(3230,1520) 3551.02,1520 3624.02,1447.01 D1.1
  Bottom Layer w10: v1(3185,1590) 3185,1540 3205,1520 v1(3230,1520)
NetP1_3: P1.3 R1.1 U3.2 | length 747.5
  Top Layer w10: P1.3@1580,2140 1580,2137.87 1724.76,1993.11 1724.76,1988.58 1715.98,1979.8 R1.1 1718.33,1976.48 1763.52,1976.48 v1(1765,1975) ; v1(2030,2195) 2031.48,2193.52 2031.48,2179.88 2055,2156.36 U3.2
  Bottom Layer w10: v1(1765,1975) 1805,2015 1805,2065 1935,2195 v1(2030,2195)
NetP2_3: P2.3 R2.1 U4.2 | length 550.8
  Top Layer w10: P2.3 1648.22,1451.78 1690.82,1451.78 R2.1 1703.78,1438.82 1716.18,1438.82 1742.21,1412.79 ; 1742.21,1412.07 1769.27,1385 2000,1385 2020,1365 2020,1322.02 U4.2
NetP3_2: P3.2 U8.3 | length 515.4
  Top Layer w10: U8.3 3285,2770 P3.2
NetP4_2: P4.2 R20.2 U7.2 | length 805.5
  Top Layer w10: R20.2 3648.94,1816.61 3670.51,1795.04 3670.51,1794.54 3676.37,1788.68 3791.66,1788.68 3817.23,1814.25 3817.23,1857.23 U7.2 3820,1896.36 3888.64,1965 4284.14,1965 4284.58,1965.43 4305.43,1965.43 P4.2
NetP4_3: P4.3 R14.1 U7.6 | length 839.2
  Top Layer w10: R14.1@3650,2052.6 3658.86,2052.6 3709.28,2103.02 3709.28,2104.28 v1(3710,2105) ; v1(3850,2140) 3850,2125 3850.02,2105.67 U7.6@3870,2085.7 ; U7.6 3870,2085 3925,2140 4250,2140 P4.3 ; U7.6@3870,2080 U7.6@3870,2090
  Bottom Layer w10: v1(3710,2105) 3745,2140 v1(3850,2140)
NetR1_2: R1.2 R3.1 R5.1 R9.2 U3.7 | length 809.6
  Top Layer w10: R1.2 1825.59,1905 R9.2 1841.89,1897.52 1852.48,1897.52 1891.37,1858.63 2020.04,1858.63 2055,1893.59 U3.7 2055,2005 2098.68,2048.68 2158.68,2048.68 2180.35,2070.35 2211.96,2070.35 R3.1 2343.86,2078.39 R5.1@2345,2079.53
NetR2_2: R2.2 R4.1 R6.1 R10.2 U4.7 | length 790.6
  Top Layer w10: R2.2 1808.19,1522.4 1820.59,1510 1895,1510 1967.03,1437.97 1987.26,1437.97 1989.28,1440 U4.7@2022.77,1473.49 ; U4.7 2022.77,1472.94 2105.14,1390.57 2137.26,1390.57 2142.83,1385 2235,1385 R4.1 R6.1@2345.47,1375 ; R6.1@2345.47,1370 R6.1@2355,1360.47
NetR5_2: R5.2 R7.2 U1.3 | length 251.8
  Top Layer w10: R5.2@2345,2010.47 2463.01,2010.47 R7.2 2467.47,2010 U1.3
NetR6_2: R6.2 R8.2 U2.3 | length 300.6
  Top Layer w10: R6.2@2355,1434.53 2361.74,1427.78 2390.96,1427.78 2456.14,1362.6 R8.2 2473.86,1362.6 2511.26,1400 2538.59,1400 2563.59,1375 U2.3
NetR13_1: R13.1 U8.8 | length 112.2
  Top Layer w10: R13.1 2941.61,2661.89 2949.73,2670 U8.8
PitchOut: J1.1 SW1.3 | length 1002.3
  Top Layer w10: J1.1 3342.1,3055 3532.1,3245 3846.93,3245 3911.26,3180.67 SW1.3@3911.26,3180
SpkrIn: P3.3 SW1.1 | length 599.9
  Top Layer w10: v1(4010,3120) 4010.72,3120.72 4015.72,3120.72 SW1.1@4070,3175
  Bottom Layer w10: P3.3 3640,3055 3945,3055 v1(4010,3120)
SpkrOut: C9.1 J1.2 | length 697.3
  Top Layer w10: C9.1 2202.48,2875 2638.15,2875 J1.2
TxIn: C4.2 J2.4 R9.1 U3.3 | length 1043.1
  Top Layer w10: J2.4@1400,2522.17 J2.4 ; J2.4@1406.04,2523.96 1742.72,2187.28 C4.2 1748.08,2129.64 1748.08,2086.92 1785,2050 1825,2050 1850,2025 1850,1988.34 1849.85,1988.19 1849.85,1982.48 1841.89,1982.48 R9.1 1895.59,1970.59 2005,2080 U3.3
VarOscOut: C6.1 U1.2 U1.6 | length 631.9
  Top Layer w10: U1.2 2698.66,2060 2748.66,2010 U1.6 ; U1.6@2812.79,2010 2997.77,2010 ; 2998.89,2011.12 3070,1940 3070,1806.42 C6.1@3068.58,1805
pads on no net: P1.1 P2.1 P4.1 SW1.P$4 SW1.P$5 U1.1 U1.5 U1.8 U2.1 U2.5 U2.8 U3.5 U3.6 U4.5 U4.6 U5.1 U5.5 U5.8 U6.1 U6.5 U6.8 U7.1 U7.5 U7.8

## Polygon pours and split planes (outlines as drawn)
GND on Bottom Layer "GND_L02_P001" (solid, pour order 1): 1244.59,1150 cw(c1244.59,1257.72) 1136.86,1257.72 1135,3156.89 cw(c1253.11,3156.89) 1253.11,3275 4386.89,3275 cw(c4386.89,3156.89) 4505,3156.89 4505,3155 4505,1268.11 cw(c4386.89,1268.11) 4386.89,1150 4385,1150
GND on Top Layer "GND_L01_P002" (solid, remove dead copper, pour order 2): 1244.59,1150 cw(c1244.59,1257.72) 1136.86,1257.72 1135,3156.89 cw(c1253.11,3156.89) 1253.11,3275 4386.89,3275 cw(c4386.89,3156.89) 4505,3156.89 4505,3155 4505,1268.11 cw(c4386.89,1268.11) 4386.89,1150 4385,1150

## Silkscreen, mask and mechanical layers (free items; w line width, h text height)
Top Overlay:
  drawing of 2174 lines, arcs and shapes, not listed
  text "Spkr / In" at 4150,2849.32 h40 r90
  text "Pitch / Out" at 3977.5,2791.84 h40 r90
  text "Active LPF" at 3742.87,2757.87 h50
  text "Audio Amp" at 3217.87,2434.54 h50
  text "Variable Oscillator" at 1242.87,2312.87 h50
  text "Amplifier" at 3497.87,2274.54 h50
  text "Mixer" at 2982.87,1987.87 h50
  text "Fixed Oscillator" at 1237.87,1702.87 h50
  text "Envelope Detector" at 3497.87,1654.54 h50
Bottom Overlay:
  drawing of 171 lines, arcs and shapes, not listed
  text "+12V" at 1617.13,3092.87 h40
  text "PitchOut" at 3037.13,2982.13 h40 r90
  text "SpkrOut" at 2833.8,2977.13 h40 r90
  text "GND" at 1584.33,2892.87 h40
  text "-12V" at 1617.13,2697.87 h40
  text "QR code for LTSpice sim and Alitum files" at 3740,2626.74 h40
  text "Inputs:  / TxIn - Pitch Control Antenna /  / Ouputs:  / SpkrOut - Use on-board audio amp and connect to speaker /  / PitchOut - Connect to Volume Control Board" at 2735,2570 h40
  text "TxIn" at 1617.13,2512.87 h40
  text "Idealized Theremin Waveforms" at 3577.92,2316.81 h58
  text "Speaker" at 1807.46,2300 h40
  text "Variable / Oscillator" at 4169.91,2080 h40
  text "Amplifier" at 2381.62,1716.99 h40
  text "Envelope Detector" at 3159.9,1716.99 h40
  text "Fixed / Oscillator" at 4159.91,1715 h40
  text "Mixer" at 3441.64,1713.66 h40
  text "Volume / Control Board" at 1784.96,1565 h40
  text "Credit Card Sized Theremin" at 1172.87,1312.68 h45 r270
  text "by Casey Ye (EE'28), Ridwan Hussain (EE'25)" at 2811.34,1181.99 h40
  text "Theremin Pitch Control Board" at 4438.19,1181.81 h58
Mechanical 1:
  lines w10: 4385,1150 1244.59,1150 cw(c1244.59,1257.72) 1136.86,1257.72 1135,3156.89 cw(c1253.11,3156.89) 1253.11,3275 4385,3275 ; 4386.89,1150 ccw(c4386.89,1268.11) 4505,1268.11 4505,3155 ; 4386.89,3275 cw(c4386.89,3156.89) 4505,3156.89